# Altium PCB DIO_MCX_mezzanine.PCBDOC (part 1 of 2) (continued)
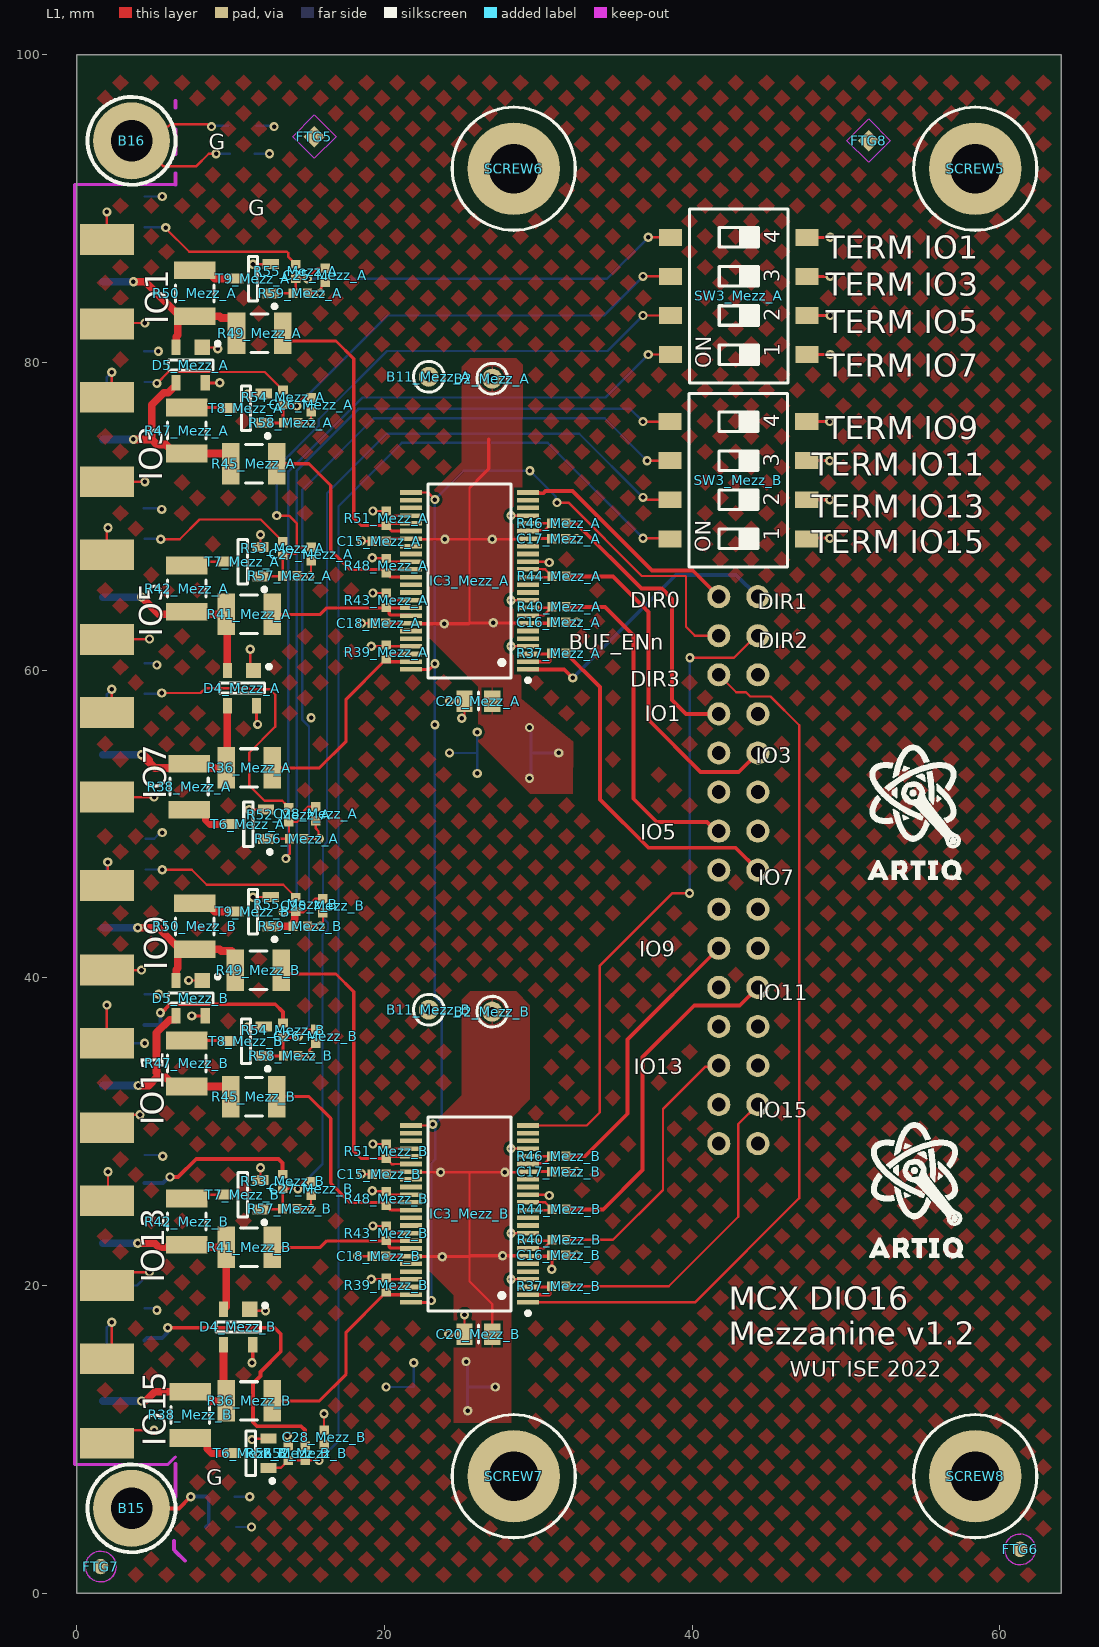
[diagram p0: L1 view]
## Design rules (kind name [scope] priority, off if disabled: settings) (continued)
MatchedLengths "IO 11 15" [InxSignalClass('IO11_15')] p10: tolerance=5 checknetsindiffpair=FALSE checkdiffpairvsdiffpair=TRUE checkxsignals=TRUE checkothers=TRUE
MatchedLengths "DDS SYNC" [InxSignalClass('DDSx_SYNC')] p11: tolerance=5 checknetsindiffpair=FALSE checkdiffpairvsdiffpair=TRUE checkxsignals=TRUE checkothers=TRUE
MatchedLengths "DDS RESET" [InxSignalClass('DDS_RESET')] p12: tolerance=5 checknetsindiffpair=FALSE checkdiffpairvsdiffpair=TRUE checkxsignals=TRUE checkothers=TRUE
MatchedLengths "CLK IC13" [InxSignalClass('CLK IC13')] p13: tolerance=5 checknetsindiffpair=FALSE checkdiffpairvsdiffpair=TRUE checkxsignals=TRUE checkothers=TRUE
MinimumAnnularRing MinimumAnnularRing_Blind [(InNetClass('50_Ohms') OR InDifferentialPairClass('All Differential Pairs'))] p1: minimumring=0.1
MinimumAnnularRing [All] p2: minimumring=0.1
MinimumSolderMaskSliver [All] p1: minsoldermaskwidth=0.05
PlaneClearance [All] p1: clearance=0.25
PlaneConnect PlaneConnect_pad [InPadClass('All Pads')] p1: planeconnectstyle=Relief reliefexpansion=0.508 reliefentries=4 reliefconductorwidth=0.254 reliefairgap=0.254
PlaneConnect [All] p2: planeconnectstyle=Direct reliefexpansion=0.508 reliefentries=4 reliefconductorwidth=0.254 reliefairgap=0.254
PolygonConnect PolygonConnect_pad [IsPad] p1: connectstyle=Relief reliefconductorwidth=0.15 reliefentries=4 polygonreliefangle="90 Angle" airgapwidth=0.152
PolygonConnect [All] p2: connectstyle=Direct reliefconductorwidth=0.254 reliefentries=4 polygonreliefangle="90 Angle" airgapwidth=0.254
RoomDefinition Mezz_A [InComponentClass('Mezz_A')] p1: confinementstyle=ConfineIn formatcopy=TRUE lockcomponents=FALSE outline -49.9,-96.1 0.9,-96.1 0.9,-70.7 -49.9,-70.7
RoomDefinition MCX_Mezzanine [InComponentClass('MCX_Mezzanine')] p2: confinementstyle=ConfineIn formatcopy=TRUE lockcomponents=FALSE outline 63.246,0.711 53.74,0.711 53.74,38.225 63.246,38.225
RoomDefinition Mezz_B [InComponentClass('Mezz_B')] p3: confinementstyle=ConfineIn formatcopy=TRUE lockcomponents=FALSE outline 0,8.817 41.346,8.817 41.346,50.773 0,50.773
RoutingVias [All] p1: holewidth=0.3 width=0.6 viastyle="Through Hole" minholewidth=0.3 minwidth=0.6 maxholewidth=0.6 maxwidth=1
SMDNeckDown [All] p1: percent=100.000
SMDToCorner [All] p1: distance=78740
SMDToPlane [All] p1: distance=0
SilkToSilkClearance [All] p1: silktosilkclearance=0
SilkToSolderMaskClearance SilkscreenOverComponentPads [IsPad] p1: minsilkscreentomaskgap=0 clearancetoexposedcopper=TRUE
SolderMaskExpansion SolderMaskExpansion_GND_VIA [IsVia AND InNet('GND')] p1: expansion=-0.1 istentingtop=FALSE
SolderMaskExpansion [All] p2: expansion=0.05 istentingtop=FALSE
Width CLK_DiffPairs_Width [(InDifferentialPairClass('All Differential Pairs'))] p1: maxlimit=0.152 minlimit=0.152 preferedwidth=0.152 minimp=50.000000 maximp=50.000000 favimp=50.000000 checkconnectedcopper=TRUE
Width Width-SE [All] p2: maxlimit=0.5 minlimit=0.152 preferedwidth=0.152 minimp=49.000000 maximp=51.000000 favimp=50.000000
18 further rules are at their usual default settings.

## Classes and differential pairs
channel class MCX_Buffer_mezz: Mezz_A Mezz_B
component class Mezz_B: B2_Mezz_B B11_Mezz_B C15_Mezz_B C16_Mezz_B C17_Mezz_B C18_Mezz_B C19_Mezz_B C20_Mezz_B C25_Mezz_B C26_Mezz_B C27_Mezz_B C28_Mezz_B D4_Mezz_B D5_Mezz_B IC3_Mezz_B J8_Mezz_B J9_Mezz_B J10_Mezz_B J11_Mezz_B LD6_Mezz_B LD8_Mezz_B LD10_Mezz_B LD11_Mezz_B LP9_Mezz_B LP10_Mezz_B LP11_Mezz_B LP12_Mezz_B R36_Mezz_B R37_Mezz_B R38_Mezz_B R39_Mezz_B R40_Mezz_B R41_Mezz_B R42_Mezz_B R43_Mezz_B R44_Mezz_B R45_Mezz_B R46_Mezz_B R47_Mezz_B R48_Mezz_B R49_Mezz_B R50_Mezz_B R51_Mezz_B R52_Mezz_B R53_Mezz_B R54_Mezz_B R55_Mezz_B R56_Mezz_B R57_Mezz_B R58_Mezz_B R59_Mezz_B SW3_Mezz_B T6_Mezz_B T7_Mezz_B T8_Mezz_B T9_Mezz_B
component class MCX_Mezzanine: B15 B16 C21 C22 FTG3 FTG4 FTG5 FTG6 FTG7 FTG8 J7 R60 R61 SCREW5 SCREW6 SCREW7 SCREW8 WASHER1 WASHER2 WASHER3 WASHER4
component class Mezz_A: B2_Mezz_A B11_Mezz_A C15_Mezz_A C16_Mezz_A C17_Mezz_A C18_Mezz_A C19_Mezz_A C20_Mezz_A C25_Mezz_A C26_Mezz_A C27_Mezz_A C28_Mezz_A D4_Mezz_A D5_Mezz_A IC3_Mezz_A J8_Mezz_A J9_Mezz_A J10_Mezz_A J11_Mezz_A LD6_Mezz_A LD8_Mezz_A LD10_Mezz_A LD11_Mezz_A LP9_Mezz_A LP10_Mezz_A LP11_Mezz_A LP12_Mezz_A R36_Mezz_A R37_Mezz_A R38_Mezz_A R39_Mezz_A R40_Mezz_A R41_Mezz_A R42_Mezz_A R43_Mezz_A R44_Mezz_A R45_Mezz_A R46_Mezz_A R47_Mezz_A R48_Mezz_A R49_Mezz_A R50_Mezz_A R51_Mezz_A R52_Mezz_A R53_Mezz_A R54_Mezz_A R55_Mezz_A R56_Mezz_A R57_Mezz_A R58_Mezz_A R59_Mezz_A SW3_Mezz_A T6_Mezz_A T7_Mezz_A T8_Mezz_A T9_Mezz_A

## Components (designator, comment, footprint, x,y, rotation, side; value= is the part's Value field where it differs from the comment)
B2_Mezz_A "Plated Hole" c130h60 27,78.951 r270 top (schematic designator B2)
B2_Mezz_B "Plated Hole" c130h60 27,37.801 r270 top (schematic designator B2)
B11_Mezz_A "Plated Hole" c130h60 22.875,79.075 r270 top (schematic designator B11)
B11_Mezz_B "Plated Hole" c130h60 22.875,37.925 r270 top (schematic designator B11)
B15 "Plated Hole" MTG270_500 3.556,5.512 r180 top locked
B16 "Plated Hole" MTG270_500 3.556,94.412 r180 top locked
C15_Mezz_A "100nF" CAPC1005X55N 19.65,68.381 r0 top (schematic designator C15)
C15_Mezz_B "100nF" CAPC1005X55N 19.65,27.231 r0 top (schematic designator C15)
C16_Mezz_A "100nF" CAPC1005X55N 31.325,63.126 r180 top (schematic designator C16)
C16_Mezz_B "100nF" CAPC1005X55N 31.325,21.976 r180 top (schematic designator C16)
C17_Mezz_A "100nF" CAPC1005X55N 31.325,68.55 r180 top (schematic designator C17)
C17_Mezz_B "100nF" CAPC1005X55N 31.325,27.4 r180 top (schematic designator C17)
C18_Mezz_A "100nF" CAPC1005X55N 19.64,63.05 r0 top (schematic designator C18)
C18_Mezz_B "100nF" CAPC1005X55N 19.64,21.9 r0 top (schematic designator C18)
C19_Mezz_A "10uF" CAPAE430X540N 27.773,54.62 r180 bottom locked (schematic designator C19)
C19_Mezz_B "10uF" CAPAE430X540N 23.653,13.4 r180 bottom locked (schematic designator C19)
C20_Mezz_A "22uF" CAPC2012X135N 26.1,57.989 r0 top (schematic designator C20)
C20_Mezz_B "22uF" CAPC2012X135N 26.1,16.839 r0 top (schematic designator C20)
C21 "Undefined" CAPC2012X135N 9.45,4.3 r0 bottom
C22 "Undefined" CAPC2012X135N 10.75,95.388 r0 bottom
C25_Mezz_A "100nF" CAPC1005X55N 16.142,85.666 r90 top (schematic designator C25)
C25_Mezz_B "100nF" CAPC1005X55N 15.997,44.687 r90 top (schematic designator C25)
C26_Mezz_A "100nF" CAPC1005X55N 15.224,77.263 r90 top (schematic designator C26)
C26_Mezz_B "100nF" CAPC1005X55N 15.538,36.194 r90 top (schematic designator C26)
C27_Mezz_A "100nF" CAPC1005X55N 15.224,67.55 r90 top (schematic designator C27)
C27_Mezz_B "100nF" CAPC1005X55N 15.224,26.301 r90 top (schematic designator C27)
C28_Mezz_A "100nF" CAPC1005X55N 15.538,50.666 r90 top (schematic designator C28)
C28_Mezz_B "100nF" CAPC1005X55N 16.067,10.137 r270 top (schematic designator C28)
D4_Mezz_A "PRTR5V0U2X" SOT190P230X110-4N 10.735,58.831 r270 top (schematic designator D4)
D4_Mezz_B "PRTR5V0U2X" SOT190P230X110-4N 10.483,17.303 r270 top (schematic designator D4)
D5_Mezz_A "PRTR5V0U2X" SOT190P230X110-4N 7.4,79.831 r270 top (schematic designator D5)
D5_Mezz_B "PRTR5V0U2X" SOT190P230X110-4N 7.4,38.675 r270 top (schematic designator D5)
FTG3 "Use only in PCB" FIDUCIAL_TOP_S100-200 1.55,1.725 r90 bottom
FTG4 "Use only in PCB" FIDUCIAL_TOP_C100-200 61.316,2.845 r90 bottom
FTG5 "Use only in PCB" FIDUCIAL_TOP_S100-200 15.435,94.681 r270 top
FTG6 "Use only in PCB" FIDUCIAL_TOP_C100-200 61.316,2.845 r90 top
FTG7 "Use only in PCB" FIDUCIAL_TOP_C100-200 1.55,1.725 r270 top
FTG8 "Use only in PCB" FIDUCIAL_TOP_S100-200 51.475,94.429 r270 top
IC3_Mezz_A "74LVT162245MTD" SOP50P810X120-48N 25.525,65.8 r180 top locked (schematic designator IC3)
IC3_Mezz_B "74LVT162245MTD" SOP50P810X120-48N 25.525,24.65 r180 top locked (schematic designator IC3)
J7 "AMPMODU" TYCO_1-215307-5 43,35.57 r90 bottom locked
J8_Mezz_A "MCX" Belfuse_133-3701-801 4.2,54.5 r180 bottom locked (schematic designator J8)
J8_Mezz_B "MCX" Belfuse_133-3701-801 4.2,12.493 r180 bottom locked (schematic designator J8)
J9_Mezz_A "MCX" Belfuse_133-3701-801 4.2,64.75 r180 bottom locked (schematic designator J9)
J9_Mezz_B "MCX" Belfuse_133-3701-801 4.2,22.75 r180 bottom locked (schematic designator J9)
J10_Mezz_A "MCX" Belfuse_133-3701-801 4.2,75 r180 bottom locked (schematic designator J10)
J10_Mezz_B "MCX" Belfuse_133-3701-801 4.2,33 r180 bottom locked (schematic designator J10)
J11_Mezz_A "MCX" Belfuse_133-3701-801 4.2,85.25 r180 bottom locked (schematic designator J11)
J11_Mezz_B "MCX" Belfuse_133-3701-801 4.2,43.25 r180 bottom locked (schematic designator J11)
LD6_Mezz_A "Green" LED_AVAGO_HSME-C120 4.4,59.459 r270 bottom (schematic designator LD6)
LD6_Mezz_B "Green" LED_AVAGO_HSME-C120 4.4,17.414 r270 bottom (schematic designator LD6)
LD8_Mezz_A "Green" LED_AVAGO_HSME-C120 4.4,69.537 r270 bottom (schematic designator LD8)
LD8_Mezz_B "Green" LED_AVAGO_HSME-C120 4.4,27.65 r270 bottom (schematic designator LD8)
LD10_Mezz_A "Green" LED_AVAGO_HSME-C120 4.4,79.732 r270 bottom (schematic designator LD10)
LD10_Mezz_B "Green" LED_AVAGO_HSME-C120 4.4,37.925 r270 bottom (schematic designator LD10)
LD11_Mezz_A "Green" LED_AVAGO_HSME-C120 4.4,89.793 r270 bottom (schematic designator LD11)
LD11_Mezz_B "Green" LED_AVAGO_HSME-C120 4.475,48.043 r270 bottom (schematic designator LD11)
LP9_Mezz_A "" FIX&FASTEN-LEMB2-8V0-F -5.05,17.25 r0 bottom locked (schematic designator LP9)
LP9_Mezz_B "" FIX&FASTEN-LEMB2-8V0-F -5.05,59.25 r0 bottom locked (schematic designator LP9)
LP10_Mezz_A "" FIX&FASTEN-LEMB2-8V0-F -5.05,27.5 r0 bottom locked (schematic designator LP10)
LP10_Mezz_B "" FIX&FASTEN-LEMB2-8V0-F -5.05,37.75 r0 bottom locked (schematic designator LP10)
LP11_Mezz_A "" FIX&FASTEN-LEMB2-8V0-F -5.05,48 r0 bottom locked (schematic designator LP11)
LP11_Mezz_B "" FIX&FASTEN-LEMB2-8V0-F -5.05,69.5 r0 bottom locked (schematic designator LP11)
LP12_Mezz_A "" FIX&FASTEN-LEMB2-8V0-F -5.05,90 r0 bottom locked (schematic designator LP12)
LP12_Mezz_B "" FIX&FASTEN-LEMB2-8V0-F -5.05,79.75 r0 bottom locked (schematic designator LP12)
R36_Mezz_A "30R" RESC3225X70N 11.2,53.643 r0 top (schematic designator R36)
R36_Mezz_B "30R" RESC3225X70N 11.2,12.493 r0 top (schematic designator R36)
R37_Mezz_A "22" RESC1005X40N 31.325,61.1 r0 top (schematic designator R37)
R37_Mezz_B "22" RESC1005X40N 31.325,19.95 r0 top (schematic designator R37)
R38_Mezz_A "49R9" RESC3225X70N 7.29,52.426 r90 top (schematic designator R38)
R38_Mezz_B "49R9" RESC3225X70N 7.366,11.582 r90 top (schematic designator R38)
R39_Mezz_A "10k" RESC1005X40N 20.11,61.179 r270 top (schematic designator R39)
R39_Mezz_B "10k" RESC1005X40N 20.11,20.029 r270 top (schematic designator R39)
R40_Mezz_A "22" RESC1005X40N 31.345,64.116 r0 top (schematic designator R40)
R40_Mezz_B "22" RESC1005X40N 31.345,22.966 r0 top (schematic designator R40)
R41_Mezz_A "30R" RESC3225X70N 11.2,63.626 r0 top (schematic designator R41)
R41_Mezz_B "30R" RESC3225X70N 11.2,22.476 r0 top (schematic designator R41)
R42_Mezz_A "49R9" RESC3225X70N 7.15,65.3 r270 top (schematic designator R42)
R42_Mezz_B "49R9" RESC3225X70N 7.15,24.15 r270 top (schematic designator R42)
R43_Mezz_A "10k" RESC1005X40N 20.1,64.55 r270 top (schematic designator R43)
R43_Mezz_B "10k" RESC1005X40N 20.1,23.4 r270 top (schematic designator R43)
R44_Mezz_A "22" RESC1005X40N 31.345,66.1 r0 top (schematic designator R44)
R44_Mezz_B "22" RESC1005X40N 31.345,24.95 r0 top (schematic designator R44)
R45_Mezz_A "30R" RESC3225X70N 11.5,73.423 r0 top (schematic designator R45)
R45_Mezz_B "30R" RESC3225X70N 11.5,32.273 r0 top (schematic designator R45)
R46_Mezz_A "22" RESC1005X40N 31.325,69.55 r0 top (schematic designator R46)
R46_Mezz_B "22" RESC1005X40N 31.325,28.4 r0 top (schematic designator R46)
R47_Mezz_A "49R9" RESC3225X70N 7.15,75.581 r270 top (schematic designator R47)
R47_Mezz_B "49R9" RESC3225X70N 7.15,34.431 r270 top (schematic designator R47)
R48_Mezz_A "10k" RESC1005X40N 20.11,66.8 r270 top (schematic designator R48)
R48_Mezz_B "10k" RESC1005X40N 20.11,25.65 r270 top (schematic designator R48)
R49_Mezz_A "30R" RESC3225X70N 11.874,81.9 r0 top (schematic designator R49)
R49_Mezz_B "30R" RESC3225X70N 11.792,40.5 r0 top (schematic designator R49)
R50_Mezz_A "49R9" RESC3225X70N 7.65,84.5 r270 top (schematic designator R50)
R50_Mezz_B "49R9" RESC3225X70N 7.65,43.35 r270 top (schematic designator R50)
R51_Mezz_A "10k" RESC1005X40N 20.11,69.874 r270 top (schematic designator R51)
R51_Mezz_B "10k" RESC1005X40N 20.11,28.724 r270 top (schematic designator R51)
R52_Mezz_A "1k" RESC1005X40N 13.787,50.601 r90 top (schematic designator R52)
R52_Mezz_B "1k" RESC1005X40N 14.834,9.093 r90 top (schematic designator R52)
R53_Mezz_A "1k" RESC1005X40N 13.374,67.911 r90 top (schematic designator R53)
R53_Mezz_B "1k" RESC1005X40N 13.374,26.761 r90 top (schematic designator R53)
R54_Mezz_A "1k" RESC1005X40N 13.4,77.731 r90 top (schematic designator R54)
R54_Mezz_B "1k" RESC1005X40N 13.4,36.581 r90 top (schematic designator R54)
R55_Mezz_A "1k" RESC1005X40N 14.224,85.92 r90 top (schematic designator R55)
R55_Mezz_B "1k" RESC1005X40N 14.224,44.77 r90 top (schematic designator R55)
R56_Mezz_A "10k" RESC1005X40N 14.3,49.034 r180 top (schematic designator R56)
R56_Mezz_B "10k" RESC1005X40N 13.731,9.093 r270 top (schematic designator R56)
R57_Mezz_A "10k" RESC1005X40N 13.844,66.123 r180 top (schematic designator R57)
R57_Mezz_B "10k" RESC1005X40N 13.844,24.973 r180 top (schematic designator R57)
R58_Mezz_A "10k" RESC1005X40N 13.9,76.079 r180 top (schematic designator R58)
R58_Mezz_B "10k" RESC1005X40N 13.9,34.929 r180 top (schematic designator R58)
R59_Mezz_A "10k" RESC1005X40N 14.525,84.5 r180 top (schematic designator R59)
R59_Mezz_B "10k" RESC1005X40N 14.525,43.35 r180 top (schematic designator R59)
R60 "0" RESC1608X55N 9.45,6.268 r180 bottom
R61 "0" RESC1608X55N 10.75,93.568 r180 bottom
SCREW5 "M3x6" BOSSARD_BN5687-3061605_v 58.4,92.6 r0 top locked
SCREW6 "M3x6" BOSSARD_BN5687-3061605_v 28.4,92.6 r0 top locked
SCREW7 "M3x6" BOSSARD_BN5687-3061605_v 28.4,7.6 r0 top locked
SCREW8 "M3x6" BOSSARD_BN5687-3061605_v 58.4,7.6 r0 top locked
SW3_Mezz_A "Switch" SW_OMRON_A6S-4102-H 43.028,84.328 r180 top (schematic designator SW3)
SW3_Mezz_B "Switch" SW_OMRON_A6S-4102-H 43,72.35 r180 top (schematic designator SW3)
T6_Mezz_A "BSS138LT1G" SOT95P240X110-3N 11.147,49.984 r180 top (schematic designator T6)
T6_Mezz_B "BSS138LT1G" SOT95P240X110-3N 11.303,9.093 r180 top (schematic designator T6)
T7_Mezz_A "BSS138LT1G" SOT95P240X110-3N 10.783,67.05 r180 top (schematic designator T7)
T7_Mezz_B "BSS138LT1G" SOT95P240X110-3N 10.783,25.9 r180 top (schematic designator T7)
T8_Mezz_A "BSS138LT1G" SOT95P240X110-3N 11,77.029 r180 top (schematic designator T8)
T8_Mezz_B "BSS138LT1G" SOT95P240X110-3N 11,35.879 r180 top (schematic designator T8)
T9_Mezz_A "BSS138LT1G" SOT95P240X110-3N 11.45,85.45 r180 top (schematic designator T9)
T9_Mezz_B "BSS138LT1G" SOT95P240X110-3N 11.45,44.3 r180 top (schematic designator T9)
WASHER1 "D6xd3.2" BOSSARD_B3/6/0.3/BN1976_v 58.4,92.6 r90 bottom locked
WASHER2 "D6xd3.2" BOSSARD_B3/6/0.3/BN1976_v 28.4,92.6 r90 bottom locked
WASHER3 "D6xd3.2" BOSSARD_B3/6/0.3/BN1976_v 58.4,7.6 r90 bottom locked
WASHER4 "D6xd3.2" BOSSARD_B3/6/0.3/BN1976_v 28.4,7.6 r90 bottom locked

## Footprints (in the part's own frame and the unit in brackets; to place one, negate y for a bottom-side part, rotate by r counter-clockwise, add the part's x,y. Pads: shape width x height; smd on the part's side, far side on the other; paste and mask are expansions set on the pad)
Belfuse_133-3701-801 [mm] "50 Ohm, RF Connector, MCX Right Angle PCB Receptacle Jack"
  rect 3x0.8 smd: 1(2.5,0)
  rect 3.5x2 smd far side: 2(2.25,-2.75) 2(2.25,2.75)
  rect 3.5x2 smd: 2(2.25,-2.75) 2(2.25,2.75)
  silkscreen extent 4.25,-2.54 9.5,2.6, body extent 1.08,-3.18 9.61,3.17, height 3.42
BOSSARD_B3/6/0.3/BN1976_v [mm] "Flat Washer without Chamfer for M3 Screw, Steel"
  silkscreen extent -3,-3 3,3, body extent -3,-3 3,3, height 0.3
BOSSARD_BN5687-3061605_v [mm] "M3 L=6mm Hexalobular Socket Pan Head Screw, Fully Threaded - Stainless Steel A2"
  silkscreen extent -4,-4 4,4, body extent -2.8,-2.8 2.8,2.8, height 2.4
c130h60 [mm] "Plated Through Hole: Hole Dia.=0.6mm Pad Dia.=1.30mm"
  round 1.3 hole 0.6: 1(0,0)
  silkscreen extent -1,-1 1,1
CAPAE430X540N [mm] "Capacitor, Aluminium Electrolytric, 4.3mm L X 4.3mm W X 5.4mm H, IPC Medium Density"
  rect 2.55x1.6 smd: 1(-1.75,0) 2(1.75,0)
  silkscreen extent -2.8,-2.15 2.15,2.15, body extent -2.75,-2.25 2.75,2.25, height 5.7
CAPC1005X55N [mm] "Capacitor, Non-Polarized, Chip; 1.00mm L X 0.50mm W X 0.70mm H, IPC Medium Density"
  rect 0.62x0.62 smd: 1(-0.45,0) 2(0.45,0)
  body extent -0.52,-0.27 0.53,0.28, height 0.55
CAPC2012X135N [mm] "Chip Capacitor, Body 2.0x1.25mm, IPC Medium Density"
  rect 1.05x1.4 smd: 1(-0.9,0) 2(0.9,0)
  silkscreen extent 0,-0.58 0,0.58, body extent -1.05,-0.67 1.05,0.68, height 1.25
FIDUCIAL_TOP_C100-200 [mm] "Round Fiducial Target, Top Layer, 1.0mm, Top Solder 2.0mm, Keepout =2.0mm"
  round 1 smd paste-0.51 mask+0.5: FTG2(0,0)
  L1 keep-out circle w0.1: c0,0 r1
FIDUCIAL_TOP_S100-200 [mm] "Square Fiducial Target, Top Layer, 1.0mm, Top Solder 2.0mm, Keepout =2.0mm"
  rect 1x1 smd rot 45 paste-0.51 mask+0.5: 1(0,0)
  L1 keep-out region: 1.414,0 0,-1.414 -1.414,0 0,1.414
FIX&FASTEN-LEMB2-8V0-F [mm] "Right Angle Single Element 2.3x8mm Round Lightpipe"
  silkscreen extent 0,-1.15 8,1.15, body extent 0,-1.15 8,1.15, height 2.15
LED_AVAGO_HSME-C120 [mm] "Green Chip LED, 2-Leads, Body 1.7x1.1mm, Side Emitting Package"
  rect 0.8x0.7 smd: 1(-1,0) 2(1,0)
  rect 0.4x0.4 smd: 3(0,-0.35)
  silkscreen extent -1.12,-0.92 0.42,0.8, body extent -0.85,-0.3 0.85,0.8, height 0.7
MTG270_500 [mm] "Plated Through Hole: Hole Dia.=2.7mm Pad Dia.=5.0mm"
  round 5 hole 2.7: 1(0,0)
RESC1005X40N [mm] "Chip Resistor, EIA 0402, Metric 1005, Body 1.0x0.5mm, IPC Medium Density"
  rect 0.58x0.62 smd: 1(-0.47,0) 2(0.47,0)
  body extent -0.52,-0.27 0.53,0.28, height 0.4
RESC1608X55N [mm] "Chip Resistor, EIA 0603, Metric 1608, Body 1.6x0.8mm, IPC Medium Density"
  rect 0.9x1 smd: 1(-0.8,0) 2(0.8,0)
  body extent -0.87,-0.47 0.88,0.48, height 0.55
RESC3225X70N [mm] "Chip Resistor, EIA 1210, Metric 3225, Body 3.2x2.5mm, IPC Medium Density"
  rect 1.15x2.7 smd: 1(-1.5,0) 2(1.5,0)
  silkscreen extent -0.55,-1.25 0.55,1.25, body extent -1.7,-1.35 1.7,1.35, height 0.7
SOP50P810X120-48N [mm] "SOP, 48-Leads, Body 12.6x6.2mm (max), Pitch 0.50mm, IPC Medium Density"
  rect 1.45x0.3 smd: 1(-3.8,5.75) 2(-3.8,5.25) 3(-3.8,4.75) 4(-3.8,4.25) 5(-3.8,3.75) 6(-3.8,3.25) 7(-3.8,2.75) 8(-3.8,2.25) 9(-3.8,1.75) 10(-3.8,1.25) 11(-3.8,0.75) 12(-3.8,0.25) 13(-3.8,-0.25) 14(-3.8,-0.75) 15(-3.8,-1.25) 16(-3.8,-1.75) 17(-3.8,-2.25) 18(-3.8,-2.75) 19(-3.8,-3.25) 20(-3.8,-3.75) 21(-3.8,-4.25) 22(-3.8,-4.75) 23(-3.8,-5.25) 24(-3.8,-5.75) 25(3.8,-5.75) 26(3.8,-5.25) 27(3.8,-4.75) 28(3.8,-4.25) 29(3.8,-3.75) 30(3.8,-3.25) 31(3.8,-2.75) 32(3.8,-2.25) 33(3.8,-1.75) 34(3.8,-1.25) 35(3.8,-0.75) 36(3.8,-0.25) 37(3.8,0.25) 38(3.8,0.75) 39(3.8,1.25) 40(3.8,1.75) 41(3.8,2.25) 42(3.8,2.75) 43(3.8,3.25) 44(3.8,3.75) 45(3.8,4.25) 46(3.8,4.75) 47(3.8,5.25) 48(3.8,5.75)
  silkscreen extent -3.93,-6.3 2.7,6.57, body extent -4.06,-6.3 4.06,6.3, height 1.2
SOT95P240X110-3N [mm] "SOT23 3-Leads, Pitch 0.95mm, Body 1.3x2.9mm, IPC Medium Density"
  rect 1.05x0.65 smd: 1(-1.15,0.95) 2(-1.15,-0.95) 3(1.15,0)
  silkscreen extent -1.53,-1.45 0.3,1.92, body extent -1.25,-1.5 1.25,1.5, height 1.1
SOT190P230X110-4N [mm] "SOT143, SOT, 1.90mm Pitch; 4 Pin, 1.30mm W X 2.90mm L X 1.10mm H body, IPC Medium Density"
  rect 1x1 smd: 1(-1.15,0.75)
  rect 1x0.6 smd: 2(-1.15,-0.95) 3(1.15,-0.95) 4(1.15,0.95)
  silkscreen extent -1.52,-1.45 0.33,1.88, body extent -1.25,-1.5 1.25,1.5, height 1.1
SW_OMRON_A6S-4102-H [mm] "Pitch 2.54mm, Body 11.3x6.4mm, 4 Ways SPST Surface-Mounting DIP Switch, OMRON A6S-H"
  rect 1.5x1.1 smd: 1(-4.45,3.81) 2(-4.45,1.27) 3(-4.45,-1.27) 4(-4.45,-3.81) 5(4.45,-3.81) 6(4.45,-1.27) 7(4.45,1.27) 8(4.45,3.81)
  silkscreen extent -3.2,-5.65 3.2,5.65, body extent -4.9,-5.55 4.9,5.55, height 3.97
TYCO_1-215307-5 [mm] "30 Contacts - Pitch 2.54mm - Dual Row Top Entry Socket"
  round 1.5 hole 0.9: 1(-6.35,1.27) 2(-6.35,-1.27) 3(-3.81,1.27) 4(-3.81,-1.27) 5(-1.27,1.27) 6(-1.27,-1.27) 7(1.27,1.27) 8(1.27,-1.27) 9(3.81,1.27) 10(3.81,-1.27) 11(6.35,1.27) 12(6.35,-1.27) 13(8.89,1.27) 14(8.89,-1.27) 15(11.43,1.27) 16(11.43,-1.27) 17(13.97,1.27) 18(13.97,-1.27) 19(16.51,1.27) 20(16.51,-1.27) 21(19.05,1.27) 22(19.05,-1.27) 23(21.59,1.27) 24(21.59,-1.27) 25(24.13,1.27) 26(24.13,-1.27) 27(26.67,1.27) 28(26.67,-1.27) 29(29.21,1.27) 30(29.21,-1.27)
  silkscreen extent -7.62,-2.54 30.48,3.26, body extent -7.62,-2.53 30.48,2.53, height 7.01

## Part data
B2_Mezz_A B2_Mezz_B B11_Mezz_A B11_Mezz_B: library part PLATED_HOLE0.6_PAD1.3, "Single Terminal Socket", Author="CERN DEM MR", ComponentHeight=0mm, Component Type="Standard (No BOM)", CreateDate=02.03.2016, Family="Plated Hole", HelpURL=Undefined, LatestRevisionDate=02.03.2016, Mounted=No, PackageDescription="Plated Through Hole: Hole Dia.=0.6mm Pad Dia.=1.3mm", Part Description="Plated Through Hole: Hole Dia.=0.6mm Pad Dia.=1.3mm", Part Number=PLATED_HOLE0.6_PAD1.3, Pin Count=1, Sense=No, SMD=No, Socket=No, Status=None
B15 B16: library part PLATED_HOLE2.7_PAD5.0, "Single Terminal Socket", Author="CERN DEM JMW", ComponentHeight=0mm, Component Type="Standard (No BOM)", CreateDate=27.09.2011, Family="Plated Hole", HelpURL=Undefined, LatestRevisionDate=27.09.2011, Mounted=No, PackageDescription="Plated Through Hole: Hole Dia.=2.7mm Pad Dia.=5.0mm", Part Description="Plated Through Hole: Hole Dia.=2.7mm Pad Dia.=5.0mm", Part Number=PLATED_HOLE2.7_PAD5.0, Pin Count=1, Sense=No, SMD=No, Socket=No, Status=None
C15_Mezz_A C15_Mezz_B C16_Mezz_A C16_Mezz_B C17_Mezz_A C17_Mezz_B C18_Mezz_A C18_Mezz_B C25_Mezz_A C25_Mezz_B C26_Mezz_A C26_Mezz_B C27_Mezz_A C27_Mezz_B C28_Mezz_A C28_Mezz_B: library part CC0402_100NF_16V_10%_X5R, "Non-polarised capacitor", Case=0402, Manufacturer=GENERIC, Manufacturer1 ComponentHeight=0.55mm, Manufacturer1 Example=MURATA, Manufacturer1 Part Number=GRM155R61C104KA88D, Tolerance=±10%, Voltage=16V, Author="CERN DEM JLC", Component Type=Standard, CreateDate=10.12.2013, HelpURL=\\cern.ch\dfs\Applications\Altium\Datasheets\CC0402_X5R_MURATA_GRM.pdf, LatestRevisionDate=10.12.2013, Manufacturer Part Number=CC0402_100NF_16V_10%_X5R, Mounted=Yes, Part Description="SMD Multilayer Chip Ceramic Capacitor", Part Number=CC0402_100NF_16V_10%_X5R, Pin Count=2, Sense=No, SMD=Yes, Socket=No, Status=None, TC=X5R
C19_Mezz_A C19_Mezz_B: library part CAE430-540_10UF_16V_20%, "Polarised capacitor", Case=B, Manufacturer=PANASONIC, Manufacturer Part Number=EEEFK1C100AR, Tolerance=±20%, Voltage=16V, Author="CERN DEM JLC", ComponentHeight=5.8mm, Component Type=Standard, CreateDate=03.12.2007, HelpURL=\\cern.ch\dfs\Applications\Altium\Datasheets\CAE_PANASONIC_FK.pdf, LatestRevisionDate=05.11.2014, Mounted=Yes, Part Description="Aluminum Electrolytic SMT Capacitor", Part Number=CAE430-540_10UF_16V_20%, Pin Count=2, Sense=No, SMD=Yes, Socket=No, Status="Not Recommended"
C20_Mezz_A C20_Mezz_B: library part CC0805_22UF_16V_10%_X5R, "Non-polarised capacitor", Case=0805, Manufacturer=GENERIC, Manufacturer1 ComponentHeight=1.35mm, Manufacturer1 Example=TDK, Manufacturer1 Part Number=C2012X5R1C226KT, Tolerance=±10%, Voltage=16V, Author="CERN DEM JLC", Component Type=Standard, CreateDate=25.10.2012, HelpURL=\\cern.ch\dfs\Applications\Altium\Datasheets\CC0805_X5R_TDK_C.pdf, LatestRevisionDate=25.10.2012, Manufacturer Part Number=CC0805_22UF_16V_10%_X5R, Mounted=Yes, Part Description="SMD Multilayer Chip Ceramic Capacitor", Part Number=CC0805_22UF_16V_10%_X5R, Pin Count=2, Sense=No, SMD=Yes, Socket=No, Status=Preferred, TC=X5R
C21 C22: library part CC0805_NO-VALUE, "Non-polarised capacitor", Case=0805, Manufacturer1 ComponentHeight=1.35mm, Author="CERN DEM JLC", Component Type=Standard, CreateDate=10.12.2008, HelpURL=Undefined, LatestRevisionDate=11.09.2013, Manufacturer=Undefined, Manufacturer Part Number=CC0805_NO-VALUE, Mounted=No, Part Description="Reserved Footprint For 0805(2012) Chip Ceramic Capacitor", Part Number=CC0805_NO-VALUE, Pin Count=2, Sense=No, SMD=Yes, Socket=No, Status=None
D4_Mezz_A D4_Mezz_B D5_Mezz_A D5_Mezz_B: "Ultra Low Capacitance Double Rail-to-Rail ESD Protection Diode", Case=SOT143B, Manufacturer="NXP SEMICONDUCTORS", Voltage=5.5V, Author="CERN DEM JLC", Bonding=No, Component Type=Standard, ComponentHeight=1.1mm, CreateDate=22.03.2011, Device=PRTR5V0U2X, HelpURL=\\cern.ch\dfs\Applications\Altium\Datasheets\PRTR5V0U2X.pdf, LatestRevisionDate=22.03.2011, Manufacturer Part Number=PRTR5V0U2X, Mounted=Yes, PackageDescription="SOT143B, SOT, 1.90mm Pitch; 4 Pin, 1.30mm W X 2.90mm L X 1.10mm H body, IPC Medium Density", Part Description="Ultra Low Capacitance (1pF) Double Rail-to-Rail ESD Protection Diode (8kV)", Part Number=PRTR5V0U2X, Pin Count=4, PressFit=No, Sense=No, SMD=Yes, Socket=No
FTG3 FTG5 FTG8: library part FIDUCIAL_TARGET_S100-200, "Fiducial Target", Author="CERN DEM JLC", ComponentHeight=0mm, Component Type="Standard (No BOM)", CreateDate=09.02.2010, Family=Fiducial, HelpURL=Undefined, LatestRevisionDate=04.04.2012, Mounted=No, PackageDescription="Square Fiducial Target, Top Layer, 1.0mm, Top Solder 2.0mm, Keepout =2.0mm", Part Description="Square Fiducial Target, Top Layer, 1.0mm, Top Solder 2.0mm, Keepout =2.0mm", Part Number=FIDUCIAL_TARGET_S100-200, Pin Count=1, Sense=No, SMD=Yes, Socket=No, Status=None
FTG4 FTG6 FTG7: library part FIDUCIAL_TARGET_C100-200, "Fiducial Target", Author="CERN DEM JLC", ComponentHeight=0mm, Component Type="Standard (No BOM)", CreateDate=09.02.2010, Family=Fiducial, HelpURL=Undefined, LatestRevisionDate=04.04.2012, Mounted=No, PackageDescription="Round Fiducial Target, Top Layer, 1.0mm, Top Solder 2.0mm, Keepout =2.0mm", Part Description="Round Fiducial Target, Top Layer, 1.0mm, Top Solder 2.0mm, Keepout =2.0mm", Part Number=FIDUCIAL_TARGET_C100-200, Pin Count=1, Sense=No, SMD=Yes, Socket=No, Status=None
IC3_Mezz_A IC3_Mezz_B: "Low Voltage 16-Bit Transceiver with 3-STATE Outputs and 25 Ohm Series Resistors in A Port Outputs", Case=TSSOP48, Manufacturer="FAIRCHILD SEMICONDUCTOR", Author="CERN DEM MR", Bonding=No, ComponentHeight=1.2mm, Component Type=Standard, CreateDate=06.12.2016, Device=74LVT162245MTD, HelpURL=\\cern.ch\dfs\Applications\Altium\Datasheets\74LVT162245MTD.pdf, LatestRevisionDate=06.12.2016, Manufacturer Part Number=74LVT162245MTD, Mounted=Yes, PackageDescription="SOP, 48-Leads, Body 12.6x6.2mm (max), Pitch 0.50mm, IPC Medium Density", Part Description="Low Voltage 16-Bit Transceiver with 3-STATE Outputs and 25 Ohm Series Resistors in A Port Outputs", Part Number=74LVT162245MTD, Pin Count=48, PressFit=No, Sense=No, SMD=Yes, Socket=No
J7: library part CON_2x15_2.54_female_V_mirror, "Connector 2.54mm, 30 pin female, vertical, 7mm, AMPMODU HV-100/HV-190", Manufacturer="TYCO ELECTRONICS", Manufacturer Part Number=1-215307-5, Part Number=TYCO_1-215307-5, Author=GK, ComponentHeight=22.86mm, Component Type=Standard, CreateDate=05.10.2015, Family=AMPMODU, HelpURL=\\cern.ch\dfs\Applications\Altium\Datasheets\TYCO_3-1761606-1.pdf, LatestRevisionDate=05.10.2015, Mounted=Yes, Part Description="34 Contacts, Dual Row Vertical Low Profile IDC Shrouded Header, with Long Eject Latch", Pin Count=30, PressFit=No, Sense=No, SMD=No, Socket=No, Status=None
J8_Mezz_A J8_Mezz_B J9_Mezz_A J9_Mezz_B J10_Mezz_A J10_Mezz_B J11_Mezz_A J11_Mezz_B: library part CON_MCX_133-3701-801, "MCX 50 OhmEnd Launch Jack Receptacle -Round C ontact", Manufacturer=Belfuse/Cinch, Manufacturer Part Number=133-3701-806, Part Number=Belfuse_133-3701-806, Author=GK, ComponentHeight=6mm, Component Type=Standard, CreateDate=31.01.2019, Family=MCX, HelpURL=\\cern.ch\dfs\Applications\Altium\Datasheets\AMPHENOL_919-383J-51A.pdf, LatestRevisionDate=31.01.2019, Mounted=Yes, Part Description="50 Ohm, RF Connector, MCX Right Angle PCB Receptacle Jack", Pin Count=5, PressFit=No, Sense=No, SMD=Yes, Socket=No, Status=None
LD6_Mezz_A LD6_Mezz_B LD8_Mezz_A LD8_Mezz_B LD10_Mezz_A LD10_Mezz_B LD11_Mezz_A LD11_Mezz_B: library part LED_AVAGO_HSME-C120, "LED Green 1C 2A", Manufacturer="AVAGO TECHNOLOGIES", Manufacturer Part Number=HSME-C120, Author="CERN DEM JMW", Bonding=No, Color=Green, ComponentHeight=0.7mm, ComponentLink1Description="Design Guide", ComponentLink1URL=\\cern.ch\dfs\Applications\Altium\Datasheets\LED_AVAGO_HSME-C110_DESIGN-GUIDE.pdf, Component Type=Standard, CreateDate=22.07.2009, HelpURL=\\cern.ch\dfs\Applications\Altium\Datasheets\LED_AVAGO_HSME-C120.pdf, LatestRevisionDate=20.06.2012, Mounted=Yes, PackageDescription="Green Chip LED, 2-Leads, Body 1.7x1.1mm, Side Emitting Package", Part Description="High Performance Right Angle Chip Green LED", Part Number=LED_AVAGO_HSME-C120, Pin Count=2, PressFit=No, Sense=No, SMD=Yes, Socket=No
LP9_Mezz_A LP9_Mezz_B LP10_Mezz_A LP10_Mezz_B LP11_Mezz_A LP11_Mezz_B LP12_Mezz_A LP12_Mezz_B: library part "LED Light_pipe_2.3x8mm", "LED Light_pipe_2.3x8mm", Manufacturer=FIX&FASTEN, Manufacturer Part Number=FIX-LEMB2-8V0-F, Part Number=FIX&FASTEN-LEMB2-8V0-F, Author=GK, Bonding=No, ComponentHeight=2.3mm, Component Type=Standard, CreateDate=24.01.2017, HelpURL=\\cern.ch\dfs\Applications\Altium\Datasheets\LEDLP_DIALIGHT_515-1049F.pdf, LatestRevisionDate=24.01.2017, Mounted=Yes, PackageDescription="Right Angle Single Element 2.3mmx8mm Round Lightpipe", Part Description="Right Angle Single Element 2.3x8mm Round Lightpipe", Pin Count=0, PressFit=No, Sense=No, SMD=No, Socket=No
R36_Mezz_A R36_Mezz_B R41_Mezz_A R41_Mezz_B R45_Mezz_A R45_Mezz_B R49_Mezz_A R49_Mezz_B: library part R1210_30R_5%_0.5W_200PPM, "Resistor - 5%", Case=1210, Manufacturer=VISHAY, Manufacturer Part Number=CRCW121030R0JNEA, Part Number=R1210_30R_5%_0.5W_200ppm, Power=0.5W, Tolerance=±5%, Author="CERN DEM JMW", ComponentHeight=0.6mm, Component Type=Standard, CreateDate=06.08.2014, HelpURL=\\cern.ch\dfs\Applications\Altium\Datasheets\R1210_VISHAY_CRCW1210.pdf, LatestRevisionDate=06.08.2014, Mounted=Yes, Part Description="Thick Film Chip Resistor", Pin Count=2, PressFit=No, Sense=No, SMD=Yes, Socket=No, Status=None, TC=±200ppm/°C
R37_Mezz_A R37_Mezz_B R40_Mezz_A R40_Mezz_B R44_Mezz_A R44_Mezz_B R46_Mezz_A R46_Mezz_B: library part R0402_22R_1%_0.0625W_100PPM, "Resistor - 1%", Case=0402, Manufacturer=GENERIC, Manufacturer1 ComponentHeight=0.4mm, Manufacturer1 Example="YAGEO PHYCOMP", Manufacturer1 Part Number=232270672209L, Power=0.0625W, Tolerance=±1%, Author="CERN DEM JLC", Component Type=Standard, CreateDate=03.12.2007, HelpURL=\\cern.ch\dfs\Applications\Altium\Datasheets\R0402_Phycomp_RC0402.pdf, LatestRevisionDate=17.10.2012, Manufacturer Part Number=R0402_22R_1%_0.0625W_100PPM, Mounted=Yes, Part Description="General Purpose Thick Film Chip Resistor", Part Number=R0402_22R_1%_0.0625W_100PPM, Pin Count=2, PressFit=No, Sense=No, SMD=Yes, Socket=No, Status="Not Recommended", TC=±100ppm/°C
R38_Mezz_A R38_Mezz_B R42_Mezz_A R42_Mezz_B R47_Mezz_A R47_Mezz_B R50_Mezz_A R50_Mezz_B: library part R1210_49R9_1%_0.5W_100PPM_VISHAY_CRCW, "Resistor - 1%", Case=1210, Manufacturer="VISHAY DRALORIC", Manufacturer Part Number=CRCW121049R9FKTA, Power=0.5W, Tolerance=±1%, Author="CERN DEM JMW", ComponentHeight=0.6mm, Component Type=Standard, CreateDate=06.08.2014, HelpURL=\\cern.ch\dfs\Applications\Altium\Datasheets\R1210_VISHAY_CRCW1210.pdf, LatestRevisionDate=06.08.2014, Mounted=Yes, Part Description="Thick Film Chip Resistor", Part Number=R1210_49R9_1%_0.5W_100PPM_VISHAY_CRCW, Pin Count=2, Sense=No, SMD=Yes, Socket=No, Status=None, TC=±100ppm/°C
R39_Mezz_A R39_Mezz_B R43_Mezz_A R43_Mezz_B R48_Mezz_A R48_Mezz_B R51_Mezz_A R51_Mezz_B R56_Mezz_A R56_Mezz_B R57_Mezz_A R57_Mezz_B R58_Mezz_A R58_Mezz_B R59_Mezz_A R59_Mezz_B: library part R0402_10K_1%_0.0625W_100PPM, "Resistor - 1%", Case=0402, Manufacturer=GENERIC, Manufacturer1 ComponentHeight=0.4mm, Manufacturer1 Example="YAGEO PHYCOMP", Manufacturer1 Part Number=232270671003L, Power=0.0625W, Tolerance=±1%, Author="CERN DEM JLC", Component Type=Standard, CreateDate=03.12.2007, HelpURL=\\cern.ch\dfs\Applications\Altium\Datasheets\R0402_Phycomp_RC0402.pdf, LatestRevisionDate=17.10.2012, Manufacturer Part Number=R0402_10K_1%_0.0625W_100PPM, Mounted=Yes, Part Description="General Purpose Thick Film Chip Resistor", Part Number=R0402_10K_1%_0.0625W_100PPM, Pin Count=2, Sense=No, SMD=Yes, Socket=No, Status="Not recommended", TC=±100ppm/°C
R52_Mezz_A R52_Mezz_B R53_Mezz_A R53_Mezz_B R54_Mezz_A R54_Mezz_B R55_Mezz_A R55_Mezz_B: library part R0402_1K_1%_0.0625W_100PPM, "Resistor - 1%", Case=0402, Manufacturer=GENERIC, Manufacturer1 ComponentHeight=0.4mm, Manufacturer1 Example="YAGEO PHYCOMP", Manufacturer1 Part Number=232270671002L, Power=0.0625W, Tolerance=±1%, Author="CERN DEM JLC", Component Type=Standard, CreateDate=03.12.2007, HelpURL=\\cern.ch\dfs\Applications\Altium\Datasheets\R0402_Phycomp_RC0402.pdf, LatestRevisionDate=17.10.2012, Manufacturer Part Number=R0402_1K_1%_0.0625W_100PPM, Mounted=Yes, Part Description="General Purpose Thick Film Chip Resistor", Part Number=R0402_1K_1%_0.0625W_100PPM, Pin Count=2, PressFit=No, Sense=No, SMD=Yes, Socket=No, Status="Not Recommended", TC=±100ppm/°C
R60 R61: library part R0603_0R_JUMPER, "Resistor", Case=0603, Manufacturer=GENERIC, Manufacturer1 ComponentHeight=0.55mm, Manufacturer1 Example="NIC COMPONENT", Manufacturer1 Part Number=NRC06Z0, Author="CERN DEM JLC", Component Type=Standard, CreateDate=03.12.2007, HelpURL=\\cern.ch\dfs\Applications\Altium\Datasheets\R0603_NIC_NRC.pdf, LatestRevisionDate=13.03.2008, Manufacturer Part Number=R0603_0R_JUMPER, Mounted=Yes, Part Description="1A (0.05R Max DC Resistance) Zero Ohm Jumper", Part Number=R0603_0R_JUMPER, Pin Count=2, PressFit=No, Sense=No, SMD=Yes, Socket=No, Status=Preferred
SCREW5 SCREW6 SCREW7 SCREW8: library part BOSSARD_BN5687-3061605_v, "Screw", Manufacturer=BOSSARD, Manufacturer Part Number="BN5687 Art.3061605", Author="CERN DEM JLC", ComponentHeight=2.4mm, Component Type=Mechanical, CreateDate=15.01.2013, HelpURL=\\cern.ch\dfs\Applications\Altium\Datasheets\BOSSARD_BN5687-3061605.pdf, LatestRevisionDate=15.01.2013, Mounted=Yes, PackageDescription="M3 L=6mm Hexalobular Socket Pan Head Screw, Fully Threaded - Stainless Steel A2", Part Description="M3 L=6mm Hexalobular Socket Pan Head Screw, Fully Threaded, Stainless Steel A2", Part Number=BOSSARD_BN5687-3061605_v, Pin Count=0, PressFit=No, Sense=No, SMD=No, Socket=No, Status=None
SW3_Mezz_A SW3_Mezz_B: library part SW_OMRON_A6S-4102-H, "4 Ways SPST DIP Switch", Manufacturer=OMRON, Manufacturer Part Number=A6S-4102-H, Author="CERN DEM JMW", ComponentHeight=3.8mm, Component Type=Standard, CreateDate=25.09.2008, Family=Switch, HelpURL=\\cern.ch\dfs\Applications\Altium\Datasheets\SW_OMRON_A6S-4102-H.pdf, LatestRevisionDate=25.09.2008, Mounted=Yes, PackageDescription="Pitch 2.54mm, Body 11.3x6.4mm, 4 Ways SPST Surface-Mounting DIP Switch, OMRON A6S-H", Part Description="4 Ways SPST DIP Switch, White Flat Actuator with Seal Tape, Contact Rating 25mA 24VDC", Part Number=SW_OMRON_A6S-4102-H, Pin Count=8, PressFit=No, Sense=No, SMD=Yes, Socket=No, Status=None
T6_Mezz_A T6_Mezz_B T7_Mezz_A T7_Mezz_B T8_Mezz_A T8_Mezz_B T9_Mezz_A T9_Mezz_B: "N-CHANNEL MOSFET WITH DIODE", Case=SOT23-3, Manufacturer="ON SEMICONDUCTOR", Author="CERN DEM JLC", Bonding=No, ComponentHeight=1.11mm, Component Type=Standard, CreateDate=23.03.2009, Device=BSS138LT1G, HelpURL=\\cern.ch\dfs\Applications\Altium\Datasheets\BSS138LT1G.pdf, LatestRevisionDate=23.03.2009, Manufacturer Part Number=BSS138LT1G, Mounted=Yes, PackageDescription="SOT23 3-Leads, Pitch 0.95mm - Body 1.4x3mm, IPC Medium Density", Part Description="50V 200mA N-Channel Enhancement Mode Field-Effect Transistor", Part Number=BSS138LT1G, Pin Count=3, PressFit=No, Sense=No, SMD=Yes, Socket=No
WASHER1 WASHER2 WASHER3 WASHER4: library part MECH_Washer_M3x0.3x6, "Washer, M3x0.3x6", Manufacturer=BOSSARD, Manufacturer Part Number=B3/6/0.3/BN1976, Part Number=BOSSARD_B3/6/0.3/BN1976, Author=GK, ComponentHeight=0.5mm, Component Type=Mechanical, CreateDate=08.03.2018, HelpURL=\\cern.ch\dfs\Applications\Altium\Datasheets\BOSSARD_BN1074-1404830.pdf, LatestRevisionDate=08.03.2018, Mounted=Yes, PackageDescription="Flat Washer without Chamfer for M3 Screw, steel", Part Description="Flat Washer without Chamfer for M3 Screw, Steel", Pin Count=0, PressFit=No, Sense=No, SMD=No, Socket=No, Status=None

## Free pads (board coordinates)
  round 6 hole 3.2: 0(58.4,7.6) 1(58.4,92.6) 2(28.4,92.6) 3(28.4,7.6)

## Via types
v1: diameter 0.6, hole 0.3, L1 to L4, tented both sides, 152 vias
v2: diameter 0.6, hole 0.3, L1 to L4, 4 vias

## Nets (pads, with @x,y where several pads share a name; then routed paths per layer and width w, separated by ;. In a path a pad name is that pad's centre, name@x,y a point inside that pad or via, vN(x,y) a via of type N, cw(c..) or ccw(c..) an arc to the next point about the centre after c; other vN are vias at no path point)
DIR_CTRL0: IC3_Mezz_A.24 J7.30 | length 15.3
  L1 w0.254: IC3_Mezz_A.24@29.325,71.55 29.348,71.527 30.043,71.527 30.066,71.504 30.325,71.504 30.46,71.639 32.221,71.639 37.389,66.472 40.038,66.472 J7.30@41.73,64.78
DIR_CTRL1: IC3_Mezz_A.1 J7.29 | length 18.5
  L1 w0.254: IC3_Mezz_A.1@29.325,60.05 31.685,60.05 v1(32.235,59.5)
  L4 w0.254: v1(32.235,59.5) 38.932,66.197 42.853,66.197 J7.29@44.27,64.78
DIR_CTRL2: IC3_Mezz_B.24 J7.27 | length 42.7
  L1 w0.152: IC3_Mezz_B.24@29.325,30.4 33.14,30.4 34,31.26 34,40.804 38.687,45.491 v1(39.827,45.491) ; v1(39.853,60.808) 42.716,60.808 44.148,62.24 J7.27@44.27,62.24
  L4 w0.152: v1(39.827,45.491) 39.853,45.517 v1(39.853,60.808)
DIR_CTRL3: IC3_Mezz_B.1 J7.26 | length 57.8
  L1 w0.152: IC3_Mezz_B.1@29.325,18.9 40.185,18.9 46.965,25.679 46.965,56.422 45.097,58.289 43.775,58.289 43.5,58.564 42.865,58.564 J7.26@41.73,59.7